# Altium PCB Main.PcbDoc (part 4 of 5) (continued)
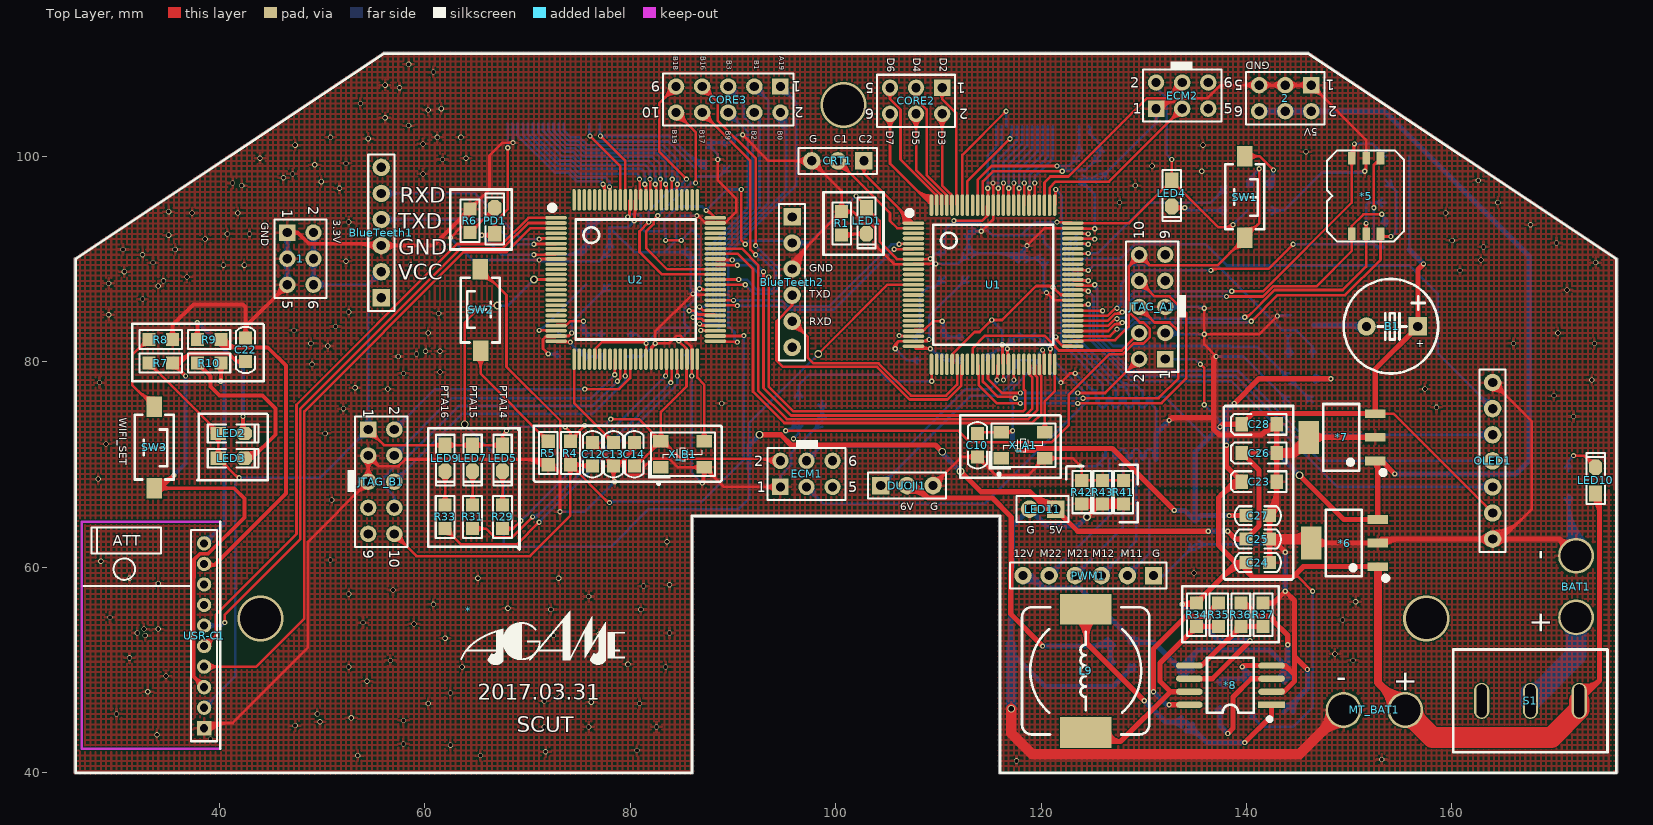
[diagram p0: Top Layer view]
## Nets (pads, with @x,y where several pads share a name; then routed paths per layer and width w, separated by ;. In a path a pad name is that pad's centre, name@x,y a point inside that pad or via, vN(x,y) a via of type N, cw(c..) or ccw(c..) an arc to the next point about the centre after c; other vN are vias at no path point) (continued)
  Bottom Layer w0.254: v1(82.677,94.234) 82.715,94.234 85.89,97.409 v1(86.36,97.409) ; v1@82.677,94.361 ccw(c82.677,94.759) 82.958,94.478 ; v1@86.27,97.319 ccw(c86.053,97.102) 86.053,97.409 ccw(c86.053,97.716) v1@86.27,97.499
PTD2: CORE2.1 U1.95 | length 13.6
  Top Layer w0.254: CORE2.1@110.063,106.078 cw(c109.821,105.592) 110.363,105.592 ; CORE2.1@110.363,106.68 110.363,105.592 ; CORE2.1@110.663,106.078 ccw(c110.905,105.592) 110.363,105.592 ; 111.724,96.483 ccw(c112.174,96.483) U1.95@111.856,96.164 ; U1.95@111.822,95.255 111.724,95.353 111.724,104.232 110.363,105.592
PTD3: CORE2.2 U1.96 | length 13.8
  Top Layer w0.254: CORE2.2@109.887,103.664 cw(c108.738,102.515) 110.363,102.515 cw(c111.988,102.515) CORE2.2@110.839,103.664 ; CORE2.2@110.067,103.844 cw(c109.351,103.128) 110.363,103.128 cw(c111.375,103.128) CORE2.2@110.659,103.844 ; CORE2.2@110.363,104.14 110.363,97.159 111.224,96.299 ; 111.19,96.333 cw(c110.988,96.13) U1.96@111.274,96.13 ; U1.96@111.274,96.139 ccw(c111.095,96.17) 111.224,96.299 ; U1.96@111.322,95.255 111.224,95.353 111.224,96.299
PTD4: CORE2.3 U1.97 | length 14.3
  Top Layer w0.254: CORE2.3@107.523,106.078 cw(c107.281,105.592) 107.823,105.592 ; CORE2.3@107.823,106.68 107.823,105.592 ; CORE2.3@108.123,106.078 ccw(c108.365,105.592) 107.823,105.592 ; 110.69,96.331 cw(c110.489,96.13) U1.97@110.774,96.13 ; U1.97@110.774,96.139 ccw(c110.595,96.169) 110.724,96.298 ; U1.97@110.822,95.255 110.724,95.353 110.724,96.298 ; 107.823,105.592 108.85,104.565 108.85,98.172 110.724,96.298
PTD5: CORE2.4 U1.98 | length 14.5
  Top Layer w0.254: CORE2.4@107.347,103.664 cw(c106.198,102.515) 107.823,102.515 cw(c109.448,102.515) CORE2.4@108.299,103.664 ; CORE2.4@107.527,103.844 cw(c106.811,103.128) 107.823,103.128 cw(c108.835,103.128) CORE2.4@108.119,103.844 ; CORE2.4@107.823,104.14 107.823,98.698 110.224,96.298 ; 110.191,96.33 cw(c109.991,96.13) U1.98@110.274,96.13 ; U1.98@110.274,96.138 ccw(c110.095,96.169) 110.224,96.298 ; U1.98@110.322,95.255 110.224,95.353 110.224,96.298
PTD6: CORE2.5 U1.99 | length 14.9
  Top Layer w0.254: CORE2.5@104.983,106.078 cw(c104.741,105.592) 105.283,105.592 ; CORE2.5@105.283,106.68 105.283,105.592 ; CORE2.5@105.583,106.078 ccw(c105.825,105.592) 105.283,105.592 ; 109.691,96.329 cw(c109.492,96.13) U1.99@109.774,96.13 ; U1.99@109.774,96.138 ccw(c109.595,96.169) 109.724,96.297 ; U1.99@109.822,95.255 109.724,95.353 109.724,96.297 ; 105.283,105.592 106.31,104.565 106.31,99.711 109.724,96.297
PTD7: CORE2.6 U1.100 | length 18.8
  Top Layer w0.254: CORE2.6@104.807,103.664 cw(c103.658,102.515) 105.283,102.515 cw(c106.908,102.515) CORE2.6@105.759,103.664 ; CORE2.6@104.987,103.844 cw(c104.271,103.128) 105.283,103.128 cw(c106.295,103.128) CORE2.6@105.579,103.844 ; CORE2.6@105.283,104.14 105.283,99.294 U1.100@109.322,95.255 ; 107.746,96.831 ccw(c109.322,98.407) U1.100@109.322,96.178 ; 108.18,96.397 ccw(c109.322,97.54) U1.100@109.322,95.924 ; 108.613,95.964 ccw(c109.322,96.672) U1.100@109.322,95.67 ; 109.047,95.53 ccw(c109.322,95.805) U1.100@109.322,95.416
PWM1_1: *3.18 U1.71 | length 22.3
  Top Layer w0.254: U1.71@123.074,91.503 124.524,91.503 v1(124.587,91.44) ; 124.128,91.503 cw(c124.128,90.981) v1@124.497,91.35
  Bottom Layer w0.254: v1@124.497,91.35 ccw(c124.28,91.133) 124.28,91.44 ccw(c124.28,91.747) v1@124.497,91.53 ; v1(124.587,91.44) 123.571,91.44 123.063,90.932 123.063,82.804 127.939,77.928 128.245,77.928 128.449,77.724 129.248,77.724 129.891,77.081 *3.18@129.891,76.585 ; 129.654,77.318 ccw(c129.891,77.555) *3.18@129.891,77.22
PWM1_2: *3.16 U1.72 | length 23.3
  Top Layer w0.254: U1.72@123.074,92.003 123.102,91.975 v1@125.222,91.975 ; U1.72@123.983,92.037 ccw(c124.132,92.186) 124.132,91.975 ; 124.85,91.975 cw(c124.85,91.576) v1@125.132,91.858 ; v1@125.095,91.948 v1(125.222,91.948)
  Bottom Layer w0.254: 124.85,91.975 cw(c124.85,91.576) v1@125.132,91.858 ; v1@125.095,91.948 v1(125.222,91.948) 125.195,91.975 123.598,91.975 122.682,91.059 122.682,82.55 127.658,77.574 128.098,77.574 128.32,77.352 128.32,77.046 128.591,76.775 *3.16@128.591,76.585
PWM2_1: *3.14 U1.73 | length 22.4
  Top Layer w0.254: U1.73@123.074,92.503 123.121,92.456 v1(124.587,92.456) ; U1.73@123.983,92.537 ccw(c124.178,92.732) 124.178,92.456 ; v1@124.497,92.366 ccw(c124.28,92.149) 124.28,92.456 ccw(c124.28,92.763) v1@124.497,92.546
  Bottom Layer w0.254: v1@124.497,92.366 ccw(c124.28,92.149) 124.28,92.456 ccw(c124.28,92.763) v1@124.497,92.546 ; v1(124.587,92.456) 123.578,92.456 122.328,91.206 122.328,82.269 127.291,77.306 *3.14@127.291,76.585 ; 127.169,77.428 cw(c126.935,77.195) *3.14@127.266,77.195
PWM2_2: *3.12 U1.76 | length 25
  Top Layer w0.254: U1.76@121.288,96.164 ccw(c120.987,96.465) 121.412,96.465 ; U1.76@121.322,95.255 121.412,95.346 v1(121.412,96.774) ; v1@121.322,96.684 cw(c121.105,96.467) 121.412,96.467 cw(c121.719,96.467) v1@121.502,96.684
  Bottom Layer w0.254: v1@121.412,96.647 cw(c121.412,96.34) 121.629,96.557 cw(c121.846,96.774) v1@121.539,96.774 ; v1(121.412,96.774) 122.02,96.166 122.02,91.398 121.974,91.352 121.974,81.861 125.991,77.844 *3.12@125.991,76.585
R: *5.3 R20.2 U1.56 | length 50
  Top Layer w0.254: U1.56@123.074,84.003 126.503,84.003 127.182,84.682 127.735,84.682 v1(127.889,84.836) ; 127.211,84.682 ccw(c127.211,85.514) v1@127.799,84.926 ; v1(138.557,86.868) 141.605,86.868 150.241,95.504 *5.3@150.241,99.822 150.495,100.076 v1(150.495,101.219) cw(c149.124,101.219) *5.3@150.07,100.227 ; v1@138.647,86.778 cw(c138.864,86.561) 138.864,86.868 cw(c138.864,87.175) v1@138.647,86.958 ; *5.3@150.066,99.422 cw(c149.642,98.998) 150.241,98.998 cw(c150.84,98.998) *5.3@150.416,99.422 ; *5.3@150.245,100.043 ccw(c149.689,100.626) 150.495,100.626 ; v1@150.385,101.156 cw(c150.119,101.002) 150.416,100.923 cw(c150.712,100.844) v1@150.558,101.109 ; v1@150.405,101.129 cw(c150.188,100.912) 150.495,100.912 cw(c150.802,100.912) v1@150.585,101.129
  Bottom Layer w0.254: v1(127.889,84.836) 128.159,85.106 128.159,85.916 129.1,86.857 138.546,86.857 v1(138.557,86.868) ; v1@127.889,84.963 ccw(c127.889,85.27) 128.106,85.053 ccw(c128.323,84.836) v1@128.016,84.836 ; 138.224,86.857 ccw(c138.224,87.201) v1@138.467,86.958 ; 138.277,86.857 cw(c138.277,86.588) v1@138.467,86.778 ; v1(150.495,101.219) 152.273,101.219 R20.2@153.543,99.949 ; v1@150.585,101.129 cw(c150.802,100.912) 150.802,101.219 cw(c150.802,101.526) v1@150.585,101.309 ; R20.2@153.035,99.949 ccw(c151.809,99.949) 152.676,100.816 ccw(c153.543,101.683) R20.2@153.543,100.457
RESET_B_1: C9.2 JTAG_A1.10 R2.1 SW1.2 U1.52 | length 109.8
  Top Layer w0.254: v1(95.123,73.279) 111.947,73.279 113.063,72.163 121.027,72.163 122.682,73.818 122.682,76.753 126.676,80.747 127.984,80.747 129.014,81.777 129.965,81.777 130.567,82.379 130.567,83.229 129.965,83.831 129.601,83.831 128.513,84.919 ; v1@95.213,73.189 cw(c95.43,72.972) 95.43,73.279 cw(c95.43,73.586) v1@95.213,73.369 ; U1.52@123.074,82.003 123.172,82.101 127.186,82.101 128.513,83.428 128.513,84.919 ; U1.52@123.983,81.969 cw(c124.301,81.651) 124.301,82.101 ; 128.608,89.365 cw(c129.54,88.433) JTAG_A1.10@129.54,89.751 ; JTAG_A1.10@128.873,90.335 cw(c127.617,90.166) 128.513,89.27 ; 128.876,89.633 ccw(c128.257,90.252) JTAG_A1.10@129.125,90.368 ; JTAG_A1.10@129.575,90.006 cw(c129.638,89.243) 130.179,89.785 cw(c130.721,90.326) JTAG_A1.10@129.958,90.389 ; JTAG_A1.10@129.595,89.753 cw(c129.697,88.527) 130.567,89.397 ; JTAG_A1.10@130.211,90.369 ccw(c131.437,90.267) 130.567,89.397 ; 138.337,90.585 cw(c139.827,89.094) SW1.2@139.827,91.202 ; 138.77,91.018 cw(c139.827,89.962) SW1.2@139.827,91.456 ; 138.94,91.188 ccw(c138.304,91.825) SW1.2@139.204,91.825 ; SW1.2@139.846,92.694 ccw(c139.912,93.976) 140.82,93.068 ; SW1.2@139.859,92.947 ccw(c139.951,94.745) 141.224,93.472 ; SW1.2@140.45,92.325 cw(c141.35,92.325) 140.714,92.962 ; v1@141.134,98.716 cw(c140.917,98.499) 141.224,98.499 cw(c141.531,98.499) v1@141.314,98.716 ; v1(141.224,98.806) 141.224,93.472 ; 128.513,84.919 128.513,89.27 ; 128.513,89.27 129.603,90.361 130.567,89.397 ; 130.567,89.397 137.149,89.397 SW1.2@139.827,92.075 141.224,93.472
  Bottom Layer w0.254: v1@95.123,73.152 ccw(c95.123,73.765) 95.557,73.332 ; v1(95.123,73.279) 95.504,73.279 C9.2@96.393,74.168 96.393,73.025 ; v1@95.123,73.406 ccw(c95.123,74.632) C9.2@95.99,73.765 ; v1@95.213,73.189 cw(c95.43,72.972) 95.43,73.279 cw(c95.43,73.586) v1@95.213,73.369 ; v1(95.885,72.517) 96.393,73.025 ; v1@95.885,72.644 ccw(c95.885,72.951) 96.102,72.734 ccw(c96.319,72.517) v1@96.012,72.517 ; C9.2@95.885,74.168 cw(c94.659,74.168) 95.526,73.301 cw(c96.393,72.434) C9.2@96.393,73.66 ; C9.2@96.053,73.791 cw(c95.361,73.025) 96.393,73.025 ; C9.2@96.733,73.791 ccw(c97.425,73.025) 96.393,73.025 ; R2.1@140.334,97.049 cw(c142.063,97.192) 140.836,98.418 ; 140.449,98.031 ccw(c141.347,97.133) R2.1@140.081,97.028 140.081,97.663 v1(141.224,98.806) ccw(c142.779,97.251) R2.1@140.587,97.07 ; v1@141.097,98.806 cw(c140.79,98.806) 141.007,98.589 cw(c141.224,98.372) v1@141.224,98.679 ; v1@141.101,98.774 cw(c140.804,98.698) 141.068,98.542 cw(c141.332,98.386) v1@141.256,98.683
RESET_B_2: C12.2 JTAG_B1.10 R4.1 SW2.2 U2.52 | length 110.1
  Top Layer w0.254: JTAG_B1.10@57.023,62.573 cw(c57.023,60.948) 58.172,62.097 cw(c59.321,63.246) JTAG_B1.10@57.696,63.246 ; JTAG_B1.10@57.023,62.827 cw(c57.023,61.815) 57.738,62.531 cw(c58.454,63.246) JTAG_B1.10@57.442,63.246 ; JTAG_B1.10@57.023,63.246 59.182,61.087 70.231,61.087 74.168,65.024 R4.1@74.168,69.977 ; SW2.2@65.405,88.154 cw(c65.405,86.046) 66.895,87.537 ; SW2.2@65.405,88.408 cw(c65.405,86.914) 66.462,87.97 ; SW2.2@65.405,89.027 67.945,86.487 67.945,79.502 73.179,74.268 73.179,71.661 ; SW2.2@66.028,88.777 ccw(c66.928,88.777) 66.292,88.14 ; 73.519,71.321 cw(c72.492,70.295) R4.1@73.918,70.024 ; R4.1@73.669,70.072 ccw(c71.921,70.403) 73.179,71.661 ; R4.1@73.809,69.618 cw(c72.942,68.751) 74.168,68.751 cw(c75.394,68.751) 74.527,69.618 cw(c75.394,68.751) 75.394,69.977 cw(c75.394,71.203) R4.1@74.527,70.336 ; 73.858,70.982 cw(c73.063,70.187) R4.1@74.168,69.977 ; R4.1@74.014,70.461 ccw(c73.947,70.672) 74.168,70.672 ; R4.1@74.168,69.469 cw(c74.168,68.243) 75.035,69.11 cw(c75.902,69.977) R4.1@74.676,69.977 ; 74.198,70.642 cw(c73.634,70.078) R4.1@74.418,69.93 ; R4.1@74.322,70.461 cw(c74.389,70.672) 74.168,70.672 ; R4.1@74.358,69.808 cw(c74.734,69.473) 74.851,69.963 ; R4.1@74.547,69.639 cw(c75.095,69.152) 75.265,69.865 ; R4.1@74.601,70.243 ccw(c75.223,70.625) 75.053,69.915 ; R4.1@74.794,69.977 cw(c74.794,68.317) C12.2@75.968,69.491 ; C12.2@75.968,70.209 cw(c75.407,70.77) 75.407,69.977 cw(c75.407,68.93) C12.2@76.147,69.67 ; C12.2@76.327,69.85 76.2,69.977 R4.1@74.168,69.977 ; 77.544,66.601 ccw(c77.978,67.034) v1@77.978,66.421 ; v1(77.978,66.294) 77.851,66.294 R4.1@74.168,69.977 ; U2.52@88.276,82.511 91.02,82.511 v1(91.059,82.55) ; 90.658,82.511 ccw(c90.658,82.951) v1@90.969,82.64 ; 73.179,71.661 74.168,70.672 ; R4.1@74.168,69.977 74.168,70.672
  Bottom Layer w0.254: v1(77.978,66.294) 78.105,66.421 86.995,66.421 91.059,70.485 v1(91.059,82.55) ; v1@78.068,66.204 cw(c78.591,65.681) 78.591,66.421 ; v1@90.969,82.46 cw(c90.752,82.243) 91.059,82.243 cw(c91.366,82.243) v1@91.149,82.46
SPI_CLK: U1.45 U2.67 | length 51.5
  Top Layer w0.254: U2.67@88.276,90.011 88.371,89.916 v1(89.916,89.916) ; U2.67@89.185,90.045 ccw(c89.496,90.356) 89.496,89.916 ; v1@89.826,89.826 ccw(c89.609,89.609) 89.609,89.916 ccw(c89.609,90.223) v1@89.826,90.006 ; v1@92.874,88.683 cw(c92.657,88.466) 92.964,88.466 cw(c93.271,88.466) v1@93.054,88.683 ; v1(92.964,88.773) 92.964,77.47 95.658,74.776 118.491,74.776 119.126,75.411 119.126,78.501 118.92,78.708 ; U1.45@118.808,78.829 cw(c118.765,78.681) 118.92,78.681 ; U1.45@118.822,79.751 118.92,79.653 118.92,78.708 ; U1.45@118.869,78.867 ccw(c119.048,78.837) 118.92,78.708 ; U1.45@118.87,78.876 ccw(c119.154,78.876) 118.953,78.675 ; U1.45@118.879,79.073 cw(c118.863,79.019) U1.45@118.92,79.019
  Bottom Layer w0.254: v1(89.916,89.916) 91.821,89.916 v1(92.964,88.773) ; v1@90.006,89.826 cw(c90.223,89.609) 90.223,89.916 cw(c90.223,90.223) v1@90.006,90.006 ; v1@92.837,88.773 ccw(c92.53,88.773) 92.747,88.99 ccw(c92.964,89.207) v1@92.964,88.9
SPI_CS: U1.44 U2.66 | length 49
  Top Layer w0.254: U2.66@88.276,89.511 88.374,89.413 90.419,89.413 v1(90.424,89.408) ; U2.66@89.185,89.545 ccw(c89.503,89.863) 89.503,89.413 ; 90.105,89.413 cw(c90.105,89.089) v1@90.334,89.318 ; 90.129,89.413 ccw(c90.129,89.703) v1@90.334,89.498 ; v1@93.382,88.175 cw(c93.165,87.958) 93.472,87.958 cw(c93.779,87.958) v1@93.562,88.175 ; v1(93.472,88.265) 93.472,77.597 95.885,75.184 118.237,75.184 118.464,75.411 118.464,77.161 118.322,77.304 U1.44@118.322,79.751
  Bottom Layer w0.254: v1(90.424,89.408) 91.694,89.408 92.483,88.619 92.483,88.574 92.765,88.292 93.445,88.292 v1(93.472,88.265) ; v1@90.514,89.318 cw(c90.731,89.101) 90.731,89.408 cw(c90.731,89.715) v1@90.514,89.498 ; 93.1,88.292 cw(c93.1,87.893) v1@93.382,88.175
SPI_SIN: U1.46 U2.69 | length 50.7
  Top Layer w0.254: U2.69@88.276,91.011 90.853,91.011 92.456,89.408 92.456,77.216 95.25,74.422 118.745,74.422 119.634,75.311 119.634,78.494 119.42,78.708 ; U1.46@119.322,79.751 119.42,79.653 119.42,78.708 ; U1.46@119.369,78.868 ccw(c119.548,78.837) 119.42,78.708 ; U1.46@119.37,78.876 ccw(c119.652,78.876) 119.452,78.676
SPI_SOUT: U1.47 U2.68 | length 51.2
  Top Layer w0.254: U2.68@88.276,90.511 90.464,90.511 91.948,89.027 91.948,77.089 94.996,74.041 119.126,74.041 120.015,74.93 120.015,78.614 119.915,78.714 ; U1.47@119.822,79.751 119.915,79.657 119.915,78.714 ; U1.47@119.869,78.866 ccw(c120.035,78.833) 119.915,78.714 ; U1.47@119.87,78.876 ccw(c120.151,78.876) 119.952,78.677
STEERING: DUOJI1.1 U1.42 | length 24.5
  Top Layer w0.254: v1@117.258,78.322 ccw(c117.041,78.539) 117.348,78.539 ccw(c117.655,78.539) v1@117.438,78.322 ; U1.42@117.288,78.842 cw(c117.142,78.696) 117.348,78.696 ; U1.42@117.322,79.751 117.348,79.724 v1(117.348,78.232)
  Bottom Layer w0.254: DUOJI1.1@104.394,67.945 113.157,76.708 115.951,76.708 117.348,78.105 v1(117.348,78.232) ; DUOJI1.1@104.394,68.414 ccw(c104.394,69.546) 105.195,68.746 ccw(c105.995,67.945) DUOJI1.1@104.863,67.945 ; DUOJI1.1@104.394,68.668 ccw(c104.394,70.413) 105.628,69.179 ccw(c106.862,67.945) DUOJI1.1@105.117,67.945 ; 117.041,77.798 ccw(c116.608,78.232) v1@117.221,78.232
TCK_A: JTAG_A1.4 U1.34 | length 19.6
  Top Layer w0.254: U1.34@113.322,79.751 113.322,81.318 114.554,82.55 120.314,82.55 121.385,81.479 121.385,81.434 121.718,81.101 127.837,81.101 JTAG_A1.4@129.54,82.804
TCK_B: JTAG_B1.4 U2.34 | length 31.6
  Top Layer w0.254: v1@78.396,78.83 ccw(c78.179,79.047) 78.486,79.047 ccw(c78.793,79.047) v1@78.576,78.83 ; v1(78.486,78.74) 78.486,80.221 U2.34@78.524,80.259 ; 78.486,79.177 cw(c78.73,79.177) U2.34@78.558,79.35
  Bottom Layer w0.254: JTAG_B1.4@57.023,70.866 62.611,76.454 76.2,76.454 v1(78.486,78.74) ; JTAG_B1.4@57.023,71.285 ccw(c57.023,72.297) 57.738,71.581 ccw(c58.454,70.866) JTAG_B1.4@57.442,70.866 ; JTAG_B1.4@57.023,71.539 ccw(c57.023,73.164) 58.172,72.015 ccw(c59.321,70.866) JTAG_B1.4@57.696,70.866 ; v1@78.359,78.74 cw(c78.052,78.74) 78.269,78.523 cw(c78.486,78.306) v1@78.486,78.613
TDI_A: JTAG_A1.8 U1.35 | length 42.5
  Top Layer w0.254: U1.35@113.788,78.842 cw(c113.469,78.523) 113.92,78.523 ; U1.35@113.822,79.751 113.92,79.653 113.92,77.723 115.697,75.946 v1(117.983,75.946) ; v1@117.893,75.856 ccw(c117.676,75.639) 117.676,75.946 ccw(c117.676,76.253) v1@117.893,76.036 ; v1(123.571,75.946) 123.598,75.973 131.726,75.973 134.112,78.359 134.112,84.764 132.505,86.371 131.053,86.371 JTAG_A1.8@129.54,87.884 ; v1@123.661,75.856 cw(c123.943,75.574) 123.943,75.973 ; JTAG_A1.8@129.54,87.211 cw(c129.54,85.586) 130.689,86.735 cw(c131.838,87.884) JTAG_A1.8@130.213,87.884 ; JTAG_A1.8@129.54,87.465 cw(c129.54,86.453) 130.255,87.169 cw(c130.971,87.884) JTAG_A1.8@129.959,87.884
  Bottom Layer w0.254: v1(117.983,75.946) v1(123.571,75.946) ; v1@118.073,75.856 cw(c118.29,75.639) 118.29,75.946 cw(c118.29,76.253) v1@118.073,76.036 ; v1@123.481,75.856 ccw(c123.264,75.639) 123.264,75.946 ccw(c123.264,76.253) v1@123.481,76.036
TDI_B: JTAG_B1.8 U2.35 | length 34.4
  Top Layer w0.254: v1(78.74,78.105) 79.021,78.386 79.021,80.256 U2.35@79.024,80.259 ; v1@78.74,78.232 ccw(c78.74,78.539) 78.957,78.322 ccw(c79.174,78.105) v1@78.867,78.105
  Bottom Layer w0.254: JTAG_B1.8@56.723,66.388 ccw(c56.481,66.874) 57.023,66.874 ; JTAG_B1.8@57.023,65.786 57.023,66.874 ; JTAG_B1.8@57.323,66.388 cw(c57.565,66.874) 57.023,66.874 ; v1@78.613,78.105 cw(c78.306,78.105) 78.523,77.888 cw(c78.74,77.671) v1@78.74,77.978 ; v1(78.74,78.105) 76.327,75.692 63.301,75.692 57.448,69.839 57.084,69.839 55.996,68.751 55.996,67.901 57.023,66.874
TDO_A: JTAG_A1.6 U1.36 | length 37.7
  Top Layer w0.254: U1.36@114.322,79.751 114.322,78.083 114.427,77.978 114.427,77.971 115.817,76.581 117.348,76.581 v1(117.475,76.454) ; 116.862,76.581 cw(c116.862,75.841) v1@117.385,76.364 ; v1(124.079,76.454) 131.445,76.454 133.35,78.359 133.35,82.986 132.505,83.831 131.053,83.831 JTAG_A1.6@129.54,85.344 ; v1@124.169,76.364 cw(c124.386,76.147) 124.386,76.454 cw(c124.386,76.761) v1@124.169,76.544 ; JTAG_A1.6@129.54,84.671 cw(c129.54,83.046) 130.689,84.195 cw(c131.838,85.344) JTAG_A1.6@130.213,85.344 ; JTAG_A1.6@129.54,84.925 cw(c129.54,83.913) 130.255,84.629 cw(c130.971,85.344) JTAG_A1.6@129.959,85.344
  Bottom Layer w0.254: v1(117.475,76.454) v1(124.079,76.454) ; v1@117.565,76.364 cw(c117.782,76.147) 117.782,76.454 cw(c117.782,76.761) v1@117.565,76.544 ; v1@123.989,76.364 ccw(c123.772,76.147) 123.772,76.454 ccw(c123.772,76.761) v1@123.989,76.544
TDO_B: JTAG_B1.6 U2.36 | length 33.8
  Top Layer w0.254: v1@79.412,78.703 ccw(c79.195,78.92) 79.502,78.92 ccw(c79.809,78.92) v1@79.592,78.703 ; v1(79.502,78.613) 79.502,80.237 U2.36@79.524,80.259
  Bottom Layer w0.254: JTAG_B1.6@57.023,68.326 63.627,74.93 76.327,74.93 79.502,78.105 v1(79.502,78.613) ; JTAG_B1.6@57.023,68.745 ccw(c57.023,69.757) 57.738,69.041 ccw(c58.454,68.326) JTAG_B1.6@57.442,68.326 ; JTAG_B1.6@57.023,68.999 ccw(c57.023,70.624) 58.172,69.475 ccw(c59.321,68.326) JTAG_B1.6@57.696,68.326 ; v1@79.412,78.523 cw(c79.195,78.306) 79.502,78.306 cw(c79.809,78.306) v1@79.592,78.523
TMS_A: JTAG_A1.2 U1.37 | length 24.3
  Top Layer w0.254: U1.37@114.822,79.751 114.822,78.345 116.205,76.962 v1(117.983,76.962) ; v1@117.893,76.872 ccw(c117.676,76.655) 117.676,76.962 ccw(c117.676,77.269) v1@117.893,77.052 ; v1(123.571,76.962) 126.238,76.962 JTAG_A1.2@129.54,80.264 ; v1@123.661,76.872 cw(c123.878,76.655) 123.878,76.962 cw(c123.878,77.269) v1@123.661,77.052 ; JTAG_A1.2@128.867,80.264 cw(c127.242,80.264) 128.391,79.115 cw(c129.54,77.966) JTAG_A1.2@129.54,79.591 ; JTAG_A1.2@129.121,80.264 cw(c128.109,80.264) 128.825,79.549 cw(c129.54,78.833) JTAG_A1.2@129.54,79.845
  Bottom Layer w0.254: v1(117.983,76.962) 117.983,76.835 118.11,76.962 v1(123.571,76.962) ; v1@118.073,76.872 cw(c118.29,76.655) 118.29,76.962 cw(c118.29,77.269) v1@118.073,77.052 ; v1@123.481,76.872 ccw(c123.264,76.655) 123.264,76.962 ccw(c123.264,77.269) v1@123.481,77.052
TMS_B: JTAG_B1.2 U2.37 | length 32.2
  Top Layer w0.254: v1(75.565,77.343) 78.912,77.343 79.983,78.414 79.983,80.218 U2.37@80.024,80.259 ; v1@75.655,77.253 cw(c75.872,77.036) 75.872,77.343 cw(c75.872,77.65) v1@75.655,77.433 ; 79.983,79.17 cw(c80.238,79.17) U2.37@80.058,79.35
  Bottom Layer w0.254: JTAG_B1.2@57.023,73.406 60.96,77.343 v1(75.565,77.343) ; JTAG_B1.2@57.023,73.825 ccw(c57.023,74.837) 57.738,74.121 ccw(c58.454,73.406) JTAG_B1.2@57.442,73.406 ; JTAG_B1.2@57.023,74.079 ccw(c57.023,75.704) 58.172,74.555 ccw(c59.321,73.406) JTAG_B1.2@57.696,73.406 ; v1@75.475,77.253 ccw(c75.258,77.036) 75.258,77.343 ccw(c75.258,77.65) v1@75.475,77.433
U: *5.4 R24.2 U1.55 | length 45.8
  Top Layer w0.254: U1.55@123.074,83.503 126.518,83.503 127.216,84.201 v1(127.381,84.201) ; v1(138.049,86.36) 141.598,86.36 142.587,87.349 146.785,87.349 150.241,90.805 *5.4@150.241,92.456 150.241,93.218 ; v1@138.139,86.27 cw(c138.356,86.053) 138.356,86.36 cw(c138.356,86.667) v1@138.139,86.45 ; *5.4@150.066,92.056 cw(c149.642,91.632) 150.241,91.632 cw(c150.84,91.632) *5.4@150.416,92.056 ; *5.4@150.08,92.87 ccw(c149.784,93.218) 150.241,93.218 ; *5.4@150.402,92.87 cw(c150.698,93.218) 150.241,93.218 ; v1@153.072,94.271 ccw(c152.855,94.054) 152.855,94.361 ccw(c152.855,94.668) v1@153.072,94.451 ; v1(153.162,94.361) 151.384,94.361 150.241,93.218
  Bottom Layer w0.254: v1(127.381,84.201) 127.481,84.301 128.088,84.301 128.102,84.287 128.513,84.698 128.513,85.769 129.115,86.371 138.038,86.371 v1(138.049,86.36) ; 137.716,86.371 cw(c137.716,86.027) v1@137.959,86.27 ; 137.769,86.371 ccw(c137.769,86.64) v1@137.959,86.45 ; v1@153.129,94.238 cw(c152.99,93.719) 153.456,93.988 ; v1@153.133,94.237 cw(c153.068,93.966) 153.31,94.105 cw(c153.551,94.245) v1@153.284,94.325 ; v1@153.162,94.234 cw(c153.162,93.927) 153.379,94.144 cw(c153.596,94.361) v1@153.289,94.361 ; R24.2@153.174,93.567 ccw(c152.759,93.958) v1(153.162,94.361) 153.543,93.98 ; R24.2@153.348,93.687 ccw(c153.226,93.98) 153.543,93.98 ; 153.347,94.176 cw(c152.949,93.778) R24.2@153.358,93.392 ; 153.532,93.991 cw(c153.139,93.599) R24.2@153.543,93.218 153.543,93.98 ; R24.2@153.738,93.687 cw(c153.86,93.98) 153.543,93.98
UART_RX: U1.6 U2.58 | length 23.9
  Top Layer w0.254: U2.58@88.276,85.511 88.289,85.498 90.397,85.498 v1(90.424,85.471) ; 90.052,85.498 cw(c90.052,85.099) v1@90.334,85.381 ; v1(105.687,90.955) 105.691,90.959 107.525,90.959 U1.6@107.569,91.003 ; v1@105.776,90.865 cw(c106.004,90.637) 106.004,90.959 ; v1@105.776,91.044 ccw(c105.983,91.251) 105.983,90.959 ; 106.472,90.959 ccw(c106.472,91.225) U1.6@106.66,91.037
  Bottom Layer w0.254: v1(90.424,85.471) 94.746,85.471 95.161,85.056 99.788,85.056 v1(105.687,90.955) ; v1@90.514,85.381 cw(c90.731,85.164) 90.731,85.471 cw(c90.731,85.778) v1@90.514,85.561 ; v1@105.56,90.955 cw(c105.253,90.955) 105.47,90.738 cw(c105.687,90.521) v1@105.687,90.828
UART_TX: U1.5 U2.59 | length 23.8
  Top Layer w0.254: U2.59@88.276,86.011 90.011,86.011 v1(90.043,85.979) ; 89.659,86.011 cw(c89.659,85.595) v1@89.953,85.889 ; v1(106.172,91.44) 106.235,91.503 U1.5@107.569,91.503 ; v1@106.262,91.35 cw(c106.631,90.981) U1.5@106.631,91.503
  Bottom Layer w0.254: v1(90.043,85.979) 94.743,85.979 95.312,85.41 99.38,85.41 105.41,91.44 v1(106.172,91.44) ; v1@90.133,85.889 cw(c90.35,85.672) 90.35,85.979 cw(c90.35,86.286) v1@90.133,86.069 ; v1@106.082,91.35 ccw(c105.865,91.133) 105.865,91.44 ccw(c105.865,91.747) v1@106.082,91.53
VBAT: *6.1 *8.6 C23.1 C24.2 C31.1 LED10.1 MT_BAT1.1 R21.1 R34.2 S1.1 | length 185.4
  Top Layer w0.254: 144.526,59.055 145.034,59.055 v1(146.431,57.658) ; v1@146.304,57.658 ccw(c145.997,57.658) 146.214,57.875 ccw(c146.431,58.092) v1@146.431,57.785
  Top Layer w0.508: v1(133.731,56.388) 135.001,56.388 R34.2@135.128,56.515 139.065,60.452 ; v1@133.902,56.388 ccw(c133.902,57.741) R34.2@134.859,56.784 ; *8.6@134.43,49.149 136.652,49.149 v1(140.335,52.832) ; R34.2@135.128,56.896 ccw(c135.128,57.816) 135.778,57.165 ccw(c136.429,56.515) R34.2@135.509,56.515 ; 137.545,67.06 cw(c139.524,65.082) C23.1@139.524,67.88 ; 137.786,59.173 cw(c139.954,57.005) C24.2@139.954,60.071 ; v1(138.049,71.882) 138.049,69.801 C23.1@139.524,68.326 138.811,68.326 ; 138.413,67.928 cw(c139.524,66.816) C23.1@139.524,68.388 ; 138.653,60.04 cw(c139.954,58.739) C24.2@139.954,60.579 ; 138.763,69.087 ccw(c139.524,69.849) C23.1@139.524,68.772 ; v1(138.811,75.946) 141.224,78.359 v1(148.209,78.359) ; C23.1@139.004,68.846 cw(c138.584,68.426) C23.1@139.178,68.426 ; C23.1@139.252,68.112 ccw(c138.811,67.764) 138.811,68.326 ; C23.1@139.252,68.54 cw(c138.811,68.888) 138.811,68.326 ; C24.2@139.678,60.189 ccw(c139.065,59.605) 139.065,60.452 ; C24.2@139.678,60.715 cw(c139.065,61.299) 139.065,60.452 ; C24.2@139.685,60.183 ccw(c139.034,59.532) 139.034,60.452 ccw(c139.034,61.372) C24.2@139.685,60.721 ; C24.2@139.725,60.147 cw(c139.383,59.69) 139.954,59.69 ; C24.2@139.835,60.496 ccw(c140.619,60.207) 140.028,59.616 ; C24.2@140.183,60.147 ccw(c140.525,59.69) 139.954,59.69 ; C24.2@140.311,60.32 ccw(c141.438,59.904) 140.589,59.055 ; *6.1@152.781,60.057 145.528,60.057 144.526,59.055 140.589,59.055 ; S1.1@172.128,46.996 ccw(c172.225,47.365) S1.1@172.495,47.095 ; S1.1@172.258,47.487 ccw(c172.486,48.355) S1.1@173.12,47.72 ; S1.1@172.387,47.978 ccw(c172.747,49.345) 173.746,48.346 ; S1.1@172.39,46.99 174.371,48.971 ; S1.1@172.516,48.47 ccw(c173.007,50.335) 174.371,48.971 ; LED10.1@173.721,66.787 cw(c172.15,65.216) 174.371,65.216 ; LED10.1@173.99,67.183 174.371,66.802 174.371,48.971 ; LED10.1@174.08,67.146 cw(c173.377,66.443) LED10.1@174.371,66.443 ; 138.811,68.326 137.287,66.802 137.287,62.103 138.938,60.452 C24.2@139.954,60.452 ; 139.065,60.452 C24.2@139.954,60.452 ; 139.954,59.69 140.589,59.055 ; 139.954,59.69 C24.2@139.954,60.452
  Top Layer w0.762: *6.1@152.781,60.057 152.781,48.768 MT_BAT1.1@155.448,46.101 ; MT_BAT1.1@154.079,46.101 ccw(c150.774,46.101) 153.111,48.438 ccw(c155.448,50.775) MT_BAT1.1@155.448,47.47
  Top Layer w2.032: MT_BAT1.1@155.448,45.367 cw(c155.448,43.595) 156.701,44.848 cw(c157.954,46.101) MT_BAT1.1@156.182,46.101 ; MT_BAT1.1@155.448,46.101 158.115,43.434 169.672,43.434 172.39,46.152 S1.1@172.39,46.99
  Bottom Layer w0.254: C31.1@140.208,45.784 141.542,44.45 144.537,44.45 146.431,46.344 v1(146.431,57.658) ; C31.1@140.308,45.311 cw(c140.308,44.411) 140.945,45.047 ; C31.1@140.527,45.784 ccw(c141.297,45.784) C31.1@140.753,45.239 ; C31.1@140.781,45.784 ccw(c142.164,45.784) 141.186,44.806 ; v1@146.341,57.568 cw(c146.124,57.351) 146.431,57.351 cw(c146.738,57.351) v1@146.521,57.568
  Bottom Layer w0.508: v1(133.731,56.388) 137.287,52.832 v1(140.335,52.832) ; v1(138.049,71.882) 138.049,75.184 v1(138.811,75.946) ; R21.1@146.431,78.359 v1(148.209,78.359) ; R21.1@146.7,78.09 cw(c147.351,77.439) 147.351,78.359 cw(c147.351,79.279) R21.1@146.7,78.628